# Altium PCB WunderBar_v102b _flip.PcbDoc (part 1 of 7) (continued)
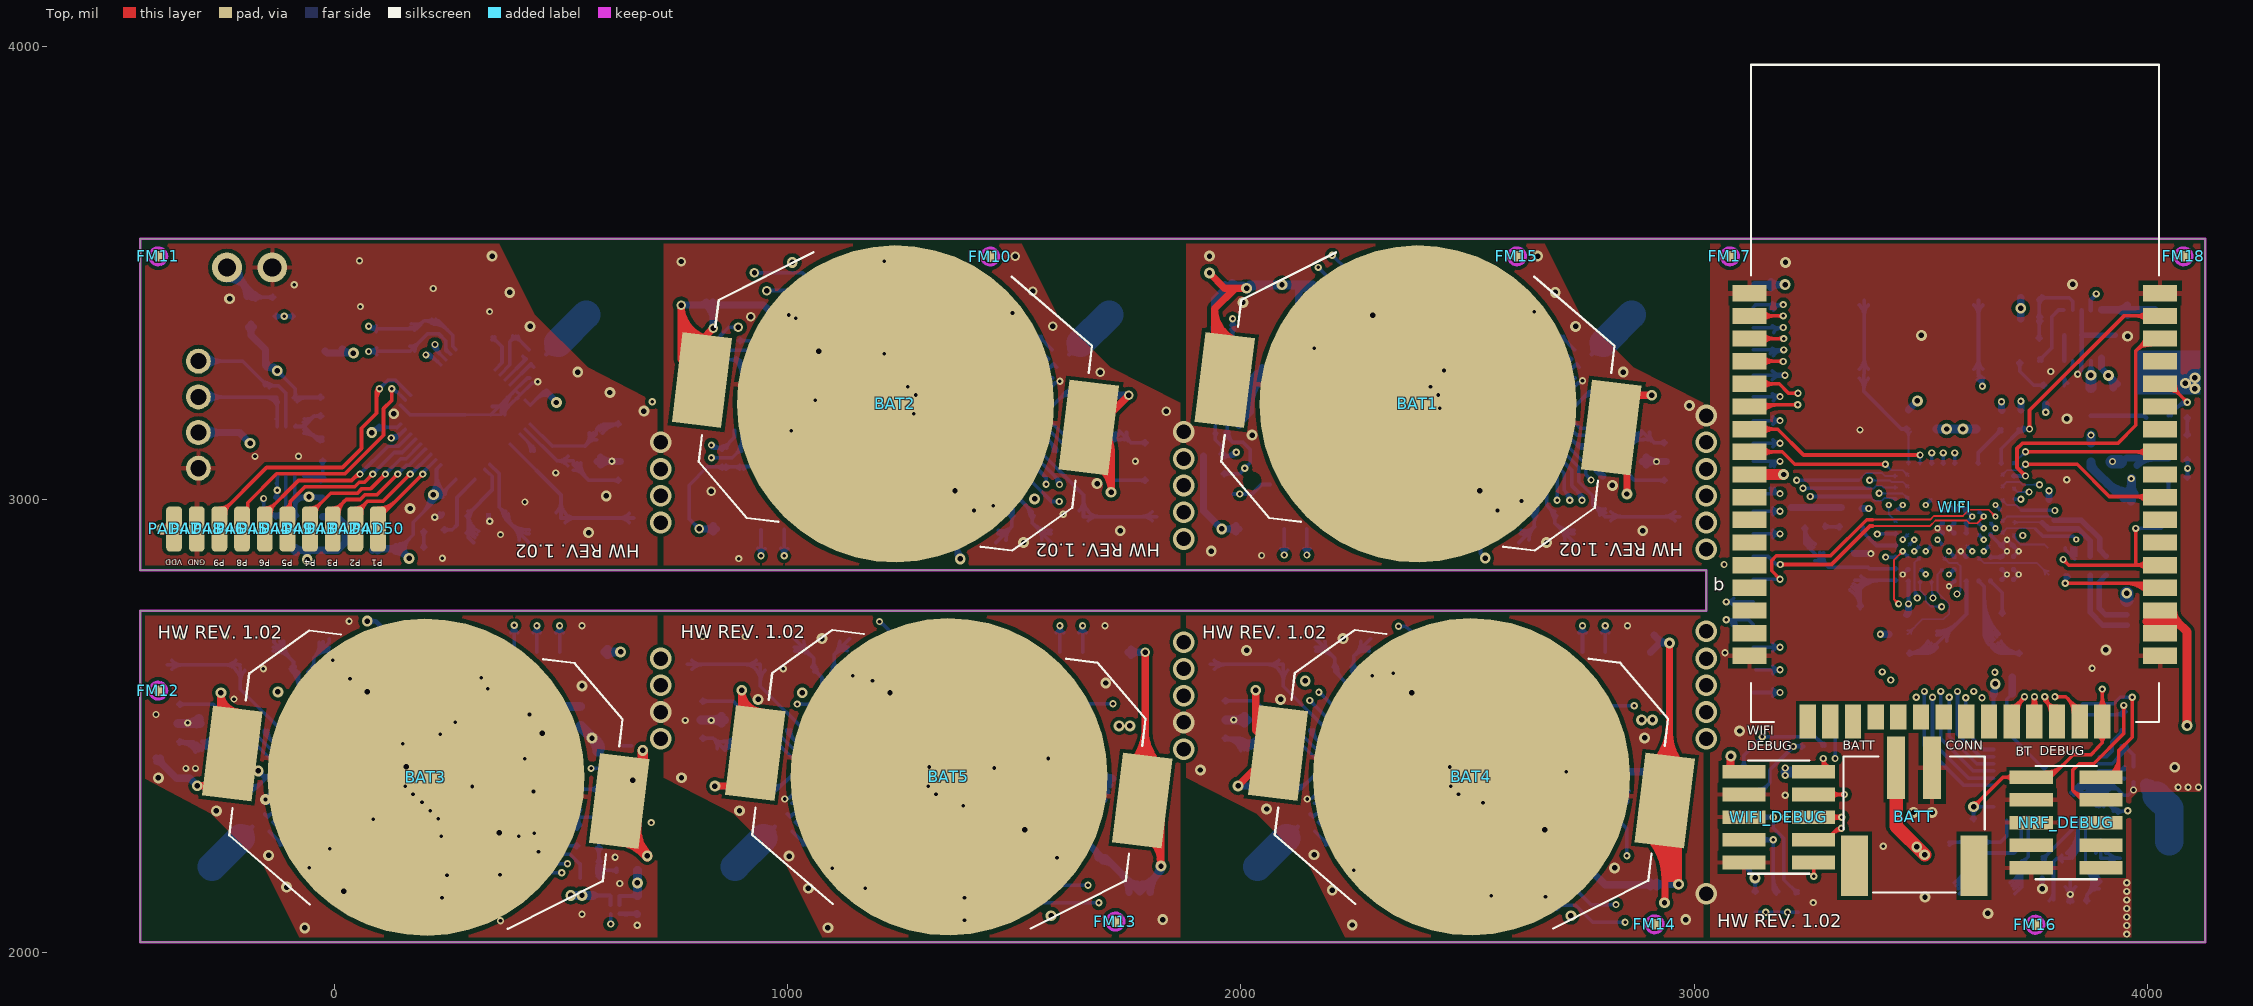
[diagram p0: Top view]
## Components (designator, comment, footprint, x,y, rotation, side; value= is the part's Value field where it differs from the comment) (continued)
NRF_DEBUG "DEBUG" 2X05_SMT 3820.52,2287.48 r270 top
P1 "GROVE_CONN" GROVE-CONN-TH -300.58,3187.48 r0 bottom
P1_14 "P1" PCB_MEDIUM_RECT_PAD 3130.52,2574.48 r180 bottom
P1_19 "P1" PCB_MEDIUM_RECT_PAD 3130.52,2624.48 r180 bottom
P1_GND "GND" PCB_MEDIUM_RECT_PAD 3130.52,3524.48 r0 bottom
P2 "header" 1X02_ROUND -187.48,3512.48 r180 bottom
P2_5 "P1" PCB_MEDIUM_RECT_PAD 3130.52,3324.48 r180 bottom
P2_11 "P1" PCB_MEDIUM_RECT_PAD 3130.52,3424.48 r180 bottom
P2_13 "P1" PCB_MEDIUM_RECT_PAD 3130.52,3374.48 r180 bottom
P6_2 "P1" PCB_MEDIUM_RECT_PAD 3130.52,2674.48 r180 bottom
PAD1 "P1" PCB_MEDIUM_RECT_PAD 2045.52,2935.48 r90 bottom
PAD2 "P1" PCB_MEDIUM_RECT_PAD 1995.52,2935.48 r90 bottom
PAD3 "P1" PCB_MEDIUM_RECT_PAD 2445.52,2935.48 r90 bottom
PAD4 "P1" PCB_MEDIUM_RECT_PAD 2395.52,2935.48 r90 bottom
PAD5 "P1" PCB_MEDIUM_RECT_PAD 2345.52,2935.48 r90 bottom
PAD6 "P1" PCB_MEDIUM_RECT_PAD 2295.52,2935.48 r90 bottom
PAD7 "P1" PCB_MEDIUM_RECT_PAD 2245.52,2935.48 r90 bottom
PAD8 "P1" PCB_MEDIUM_RECT_PAD 2195.52,2935.48 r90 bottom
PAD9 "P1" PCB_MEDIUM_RECT_PAD 2145.52,2935.48 r90 bottom
PAD10 "P1" PCB_MEDIUM_RECT_PAD 2095.52,2935.48 r90 bottom
PAD11 "P1" PCB_MEDIUM_RECT_PAD 1242.52,2935.48 r90 bottom
PAD12 "P1" PCB_MEDIUM_RECT_PAD 1192.52,2935.48 r90 bottom
PAD13 "P1" PCB_MEDIUM_RECT_PAD 1142.52,2935.48 r90 bottom
PAD14 "P1" PCB_MEDIUM_RECT_PAD 1042.52,2935.48 r90 bottom
PAD15 "P1" PCB_MEDIUM_RECT_PAD 992.52,2935.48 r90 bottom
PAD16 "P1" PCB_MEDIUM_RECT_PAD 942.52,2935.48 r90 bottom
PAD17 "P1" PCB_MEDIUM_RECT_PAD 842.52,2935.48 r90 bottom
PAD18 "P1" PCB_MEDIUM_RECT_PAD 892.52,2935.48 r90 bottom
PAD19 "P1" PCB_MEDIUM_RECT_PAD 1092.52,2935.48 r90 bottom
PAD20 "P1" PCB_MEDIUM_RECT_PAD 1292.52,2935.48 r90 bottom
PAD21 "P1" PCB_MEDIUM_RECT_PAD 2503.52,2663.48 r270 bottom
PAD22 "P1" PCB_MEDIUM_RECT_PAD 2553.52,2663.48 r270 bottom
PAD23 "P1" PCB_MEDIUM_RECT_PAD 2603.52,2663.48 r270 bottom
PAD24 "P1" PCB_MEDIUM_RECT_PAD 2703.52,2663.48 r270 bottom
PAD25 "P1" PCB_MEDIUM_RECT_PAD 2753.52,2663.48 r270 bottom
PAD26 "P1" PCB_MEDIUM_RECT_PAD 2803.52,2663.48 r270 bottom
PAD27 "P1" PCB_MEDIUM_RECT_PAD 2903.52,2663.48 r270 bottom
PAD28 "P1" PCB_MEDIUM_RECT_PAD 2853.52,2663.48 r270 bottom
PAD29 "P1" PCB_MEDIUM_RECT_PAD 2653.52,2663.48 r270 bottom
PAD30 "P1" PCB_MEDIUM_RECT_PAD 2453.52,2663.48 r270 bottom
PAD31 "P1" PCB_MEDIUM_RECT_PAD 1350.52,2663.48 r270 bottom
PAD32 "P1" PCB_MEDIUM_RECT_PAD 1400.52,2663.48 r270 bottom
PAD33 "P1" PCB_MEDIUM_RECT_PAD 1450.52,2663.48 r270 bottom
PAD34 "P1" PCB_MEDIUM_RECT_PAD 1550.52,2663.48 r270 bottom
PAD35 "P1" PCB_MEDIUM_RECT_PAD 1600.52,2663.48 r270 bottom
PAD36 "P1" PCB_MEDIUM_RECT_PAD 1650.52,2663.48 r270 bottom
PAD37 "P1" PCB_MEDIUM_RECT_PAD 1750.52,2663.48 r270 bottom
PAD38 "P1" PCB_MEDIUM_RECT_PAD 1700.52,2663.48 r270 bottom
PAD39 "P1" PCB_MEDIUM_RECT_PAD 1500.52,2663.48 r270 bottom
PAD40 "P1" PCB_MEDIUM_RECT_PAD 1300.52,2663.48 r270 bottom
PAD41 "P1" PCB_MEDIUM_RECT_PAD 45.87,2935.48 r270 top
PAD42 "P1" PCB_MEDIUM_RECT_PAD -4.13,2935.48 r270 top
PAD43 "P1" PCB_MEDIUM_RECT_PAD -54.13,2935.48 r270 top
PAD44 "P1" PCB_MEDIUM_RECT_PAD -154.13,2935.48 r270 top
PAD45 "P1" PCB_MEDIUM_RECT_PAD -204.13,2935.48 r270 top
PAD46 "P1" PCB_MEDIUM_RECT_PAD -254.13,2935.48 r270 top
PAD47 "P1" PCB_MEDIUM_RECT_PAD -354.13,2935.48 r270 top
PAD48 "P1" PCB_MEDIUM_RECT_PAD -304.13,2935.48 r270 top
PAD49 "P1" PCB_MEDIUM_RECT_PAD -104.13,2935.48 r270 top
PAD50 "P1" PCB_MEDIUM_RECT_PAD 95.87,2935.48 r270 top
PAD51 "P1" PCB_MEDIUM_RECT_PAD 546.48,2663.48 r90 bottom
PAD52 "P1" PCB_MEDIUM_RECT_PAD 596.5,2663.48 r90 bottom
PAD53 "P1" PCB_MEDIUM_RECT_PAD 145.34,2664.48 r90 bottom
PAD54 "P1" PCB_MEDIUM_RECT_PAD 195.36,2664.48 r90 bottom
PAD55 "P1" PCB_MEDIUM_RECT_PAD 245.38,2664.48 r90 bottom
PAD56 "P1" PCB_MEDIUM_RECT_PAD 295.39,2664.48 r90 bottom
PAD57 "P1" PCB_MEDIUM_RECT_PAD 346.41,2663.48 r90 bottom
PAD58 "P1" PCB_MEDIUM_RECT_PAD 396.43,2663.48 r90 bottom
PAD59 "P1" PCB_MEDIUM_RECT_PAD 446.45,2663.48 r90 bottom
PAD60 "P1" PCB_MEDIUM_RECT_PAD 496.47,2663.48 r90 bottom
PGM "Tact Sw 4.6x2.8" CK-KMR2 3406.52,3358.48 r180 bottom
PWR1 "LTC4081DFN" LTC4080_DFN 3855.52,3362.48 r90 bottom
R1 "95k3" 0402 3740,3351.96 r0 bottom
R2 "300k" 0402 3741.52,3398.48 r180 bottom
R3 "2K94" 0402 3819.52,3231.48 r90 bottom
R4 "220" 0402 3775.52,3231.81 r270 bottom
R5 "220" 0402 2528.52,2943.48 r180 bottom
R6 "22" 0402 1959.52,3315.48 r270 bottom
R7 "220" 0402 3619.52,2244.48 r180 bottom
R8 "10k" 0402 4067.23,2953.13 r180 bottom
R9 "10k" 0402 1938.52,3096.48 r180 bottom
R10 "10k" 0402 1938.52,3057.48 r180 bottom
R11 "10k" 0402 3721.3,3176.48 r90 bottom
R12 "10k" 0402 1961.52,3380.48 r180 bottom
R13 "220" 0402 4067.35,3138.52 r0 bottom
R14 "10k" 0402 3229.52,2110.48 r270 bottom
R15 "10k" 0402 3241.52,2476.48 r90 bottom
R16 "10k" 0402 3472.86,3176.48 r90 bottom
R17 "220" 0402 3345.52,2939.85 r0 bottom
R18 "220" 0402 1371.52,2943.48 r180 bottom
R19 "10k" 0402 898.52,3092.48 r270 bottom
R20 "10k" 0402 859.52,3092.48 r270 bottom
R21 "10k" 0402 969.52,3329.48 r90 bottom
R22 "220" 0402 2375.51,2653.49 r0 bottom
R23 "10k" 0402 2772.52,2281.48 r270 bottom
R24 "10k" 0402 2823.52,2281.48 r270 bottom
R25 "220" 0402 1225.18,2653.49 r0 bottom
R26 "10k" 0402 1589.52,2482.48 r180 bottom
R27 "20 0.2W" 1206_MINIMELF_COMBO 1776.52,2195.48 r270 bottom
R28 "220" 0402 217.52,2933.48 r180 bottom
R29 "220" 0402 70,2654.49 r0 bottom
R30 "100" 0402 3679.07,3176.81 r270 bottom
R31 "10k" 0402 3969.52,2527.48 r180 bottom
R32 "10k" 0402 2524.52,3398.48 r270 bottom
R33 "10k" 0402 218.52,3414.48 r270 bottom
R34 "10k" 0402 2375.52,2201.48 r90 bottom
R35 "10k" 0402 1371.52,3398.48 r270 bottom
R36 "10k" 0402 67.5,2201.5 r90 bottom
R37 "10k" 0402 1221.52,2201.48 r90 bottom
R38 "10k" 0402 3134.52,2110.48 r270 bottom
R39 "10k" 0402 3182.52,2110.48 r270 bottom
R40 "10k" 0402 3450.24,2703.32 r180 bottom
R41 "10k" 0402 3288.52,2476.48 r90 bottom
R42 "10k" 0402 4067.69,3092.11 r180 bottom
R43 "100" 0402 102.76,2560.83 r225 bottom
R44 "10k" 0402 -107.48,3000.48 r0 bottom
R45 "10k" 0402 -107.48,2961.48 r0 bottom
R46 "10k" 0402 -148.48,3272.48 r90 bottom
R47 "10k" 0402 -107.48,3220.48 r0 bottom
R48 "10k" 0402 -26.48,3205.48 r90 bottom
R49 "4k7" 0402 -132.48,3425.48 r90 bottom
R50 "4k7" 0402 -89.48,3425.48 r270 bottom
R51 "3k74" 0402 4067.35,3045.7 r0 bottom
R52 "100" 0402 3803.22,2834.48 r180 bottom
R53 "0" 0402 4067.7,2999.29 r180 bottom
R54 "100" 0402 2499.46,3024.85 r90 bottom
R55 "100" 0402 1332.87,3034.38 r45 bottom
R56 "10k" 0402 3875.52,3104.15 r90 bottom
R57 "100" 0402 2408.1,2559.35 r225 bottom
R58 "100" 0402 1255.34,2559.41 r225 bottom
R59 "1M" 0603 494.03,2298.75 r270 bottom
R60 "10k 0.1%" 0402 560.03,2447.67 r180 bottom
R61 "10k" 0603 503.27,2403.31 r180 bottom
R62 "100k" 0402 538.7,2256.99 r270 bottom
R63 "10k 0.1%" 0402 647.33,2182 r180 bottom
R64 "10k 0.1%" 0402 477.04,2447.67 r180 bottom
R65 "1M" 0402 434.67,2586.08 r0 bottom
R66 "10k 0.1%" 0402 562.83,2165 r0 bottom
R67 "100k" 0402 399.23,2299.75 r90 bottom
R68 "100k" 0402 440.72,2299.75 r90 bottom
R69 "10k" 0402 1962.04,3014 r0 bottom
R70 "22" 0402 3909,2854 r90 bottom
R71 "22" 0402 3870.52,2854 r90 bottom
R72 "0" "0805 v3" 3963.52,3006.7 r90 bottom (schematic designator D1)
RST "Tact Sw 4.6x2.8" CK-KMR2 3595.52,3358.48 r180 bottom
SCL "P1" PCB_MEDIUM_RECT_PAD 3130.52,2774.48 r0 bottom
SD_CLK "P1" PCB_MEDIUM_RECT_PAD 3130.52,3074.48 r0 bottom
SD_CMD "P1" PCB_MEDIUM_RECT_PAD 3130.52,3024.48 r0 bottom
SD_D0 "P1" PCB_MEDIUM_RECT_PAD 3130.52,2824.48 r0 bottom
SD_D1 "P1" PCB_MEDIUM_RECT_PAD 3130.52,2874.48 r0 bottom
SD_D2 "P1" PCB_MEDIUM_RECT_PAD 3130.52,2924.48 r0 bottom
SD_D3 "P1" PCB_MEDIUM_RECT_PAD 3130.52,2974.48 r0 bottom
SDA "P1" PCB_MEDIUM_RECT_PAD 3130.52,2724.48 r0 bottom
SENSE1 "HTU21D" HTU21D 2800.52,2399.48 r180 bottom
SENSE2 "MPU6500QFN" QFN24-0.4 922.52,3211.48 r0 bottom
SENSE3 "TCS37717FN" DFN-6-0.65 1969.52,3195.48 r270 bottom
T1 "AO3418" SOT23 1567.52,2388.48 r0 bottom
T2 "AO3418" SOT23 2103.52,3071.48 r90 bottom
U1 "MK24FN1M0VDC12" BGA121-0.65 3575.22,2950 r180 bottom
U2 "SPQ0410HR5H-B" SPQ0410HR5H-B 595.6,2522.25 r270 bottom
U3 "LTC1966" MSOP-8 372.6,2453.32 r90 bottom
U4 "TLV2760" DBV-6 657.99,2245.77 r180 bottom
U5 "TPS22924C" YZP-6 619,2106 r0 bottom
USB "USB MICRO AB" USB_MICRO_SMD 4067.52,2720.48 r270 bottom
VD33 "P1" PCB_MEDIUM_RECT_PAD 3130.52,3474.48 r0 bottom
VREG2 "MCP1801T-3302" SOT-23-5 28.52,2925.48 r90 bottom
WIFI "GS1500M" GAINSPANM 3575.52,3209.48 r180 top
WIFI_DEBUG "DEBUG" 2X05_SMT 3186.52,2299.48 r270 top
X1 "32.768 KHz" 1206_MINIMELF_COMBO 2674.52,2905.48 r0 bottom
X2 "32.768 KHz" 1206_MINIMELF_COMBO 1520.52,2905.48 r0 bottom
X3 "32.768 KHz" 1206_MINIMELF_COMBO 367.52,2905.48 r0 bottom
X4 "32.768 KHz" 1206_MINIMELF_COMBO 2225.52,2693.48 r180 bottom
X5 "32.768 KHz" 1206_MINIMELF_COMBO 1075.52,2693.48 r180 bottom
X6 "32.768 KHz" 1206_MINIMELF_COMBO -72.73,2693.48 r180 bottom
X7 "32.768 KHz" 1206_MINIMELF_COMBO 3646.52,2130.48 r0 bottom
X8 "32.768 KHz" 1206_MINIMELF_COMBO 3597,2682 r180 bottom
Y1 "12MHz 12pF" ABM8G 3305.98,2851.02 r180 bottom
Y2 "16MHz 10pF" CRYSTAL25X20 3863.52,2183.48 r0 bottom
Y3 "16MHz 10pF" CRYSTAL25X20 2859.52,3118.48 r90 bottom
Y4 "16MHz 10pF" CRYSTAL25X20 1705.52,3118.48 r90 bottom
Y5 "16MHz 10pF" CRYSTAL25X20 2040.52,2480.48 r270 bottom
Y6 "16MHz 10pF" CRYSTAL25X20 886.52,2480.48 r270 bottom
Y7 "16MHz 10pF" CRYSTAL25X20 552.52,3118.48 r90 bottom
Y8 "16MHz 10pF" CRYSTAL25X20 -266.48,2480.48 r270 bottom

## Footprints (in the part's own frame and the unit in brackets; to place one, negate y for a bottom-side part, rotate by r counter-clockwise, add the part's x,y. Pads: shape width x height; smd on the part's side, far side on the other; paste and mask are expansions set on the pad)
1X02_ROUND [mil] "1X02_ROUND"
  round 66 hole 40: 1(-50,0) 2(50,0)
2X05_SMT [mil] "2X05_SMT"
  rect 30x95 smd paste-98.43: 1(-100,-76.77) 2(-100,77) 3(-50,-76.77) 4(-50,77) 5(0,-76.77) 6(0,77) 7(50,-76.77) 8(50,77) 9(100,-76.77) 10(100,77)
  silkscreen extent -125,-68 125,68
6-PIN-0603 [mil] "6-PIN-0603"
  rect 22x10 smd: 1(-16.73,20) 2(-16.73,0) 3(-16.73,-19.68) 4(17,-19.68) 5(17,0) 6(17,20)
  silkscreen extent -4,36 4,44
0402 [mil] "0402"
  rect 20x20 smd: 1(-20.67,0) 2(21,0)
  silkscreen extent -4,-10 4,10
0402_POLAR [mil] "0402_POLAR"
  rect 20x20 smd: A(-20.67,0) K(21,0)
  silkscreen extent -4,-10 4,10
0603 [mil] "0603"
  rect 31x34 smd: 1(-30.5,0) 2(31,0)
  silkscreen extent -7,-16 7,16
0603_POLAR [mil] "0603_POLAR"
  rect 31x34 smd: A(-30.5,0) K(31,0)
  silkscreen extent -7,-15 7,16
"0805 v3" [mil]
  rect 40x50 smd: 1(0,0) 2(78,0)
  silkscreen extent -27,-32 105,32
0805_MICROMELF_COMBO [mil] "0805_MICROMELF_COMBO"
  rect 48x56 smd: 1(-39.37,0) 2(40,0)
  silkscreen extent -9,-24 9,24
1206_MINIMELF_COMBO [mil] "1206_MINIMELF_COMBO"
  rrect20% 52x63 smd: 1(-61.02,0) 2(62,0)
  silkscreen extent -25,-30 25,30
ABM8G [mil] "ABM8G"
  rect 55x47 smd: 1(-43.5,-33.5) 2(44,-33.5) 3(44,34) 4(-43.5,34)
  silkscreen extent -63,-49 63,49
BGA121-0.65 [mil] "BGA100-0.8"
  rrect100% 14x14 smd: A1(-127.97,127.94) A2(-102.37,127.92) A3(-76.8,127.92) A4(-51.21,127.93) A5(-25.61,127.94) A6(0,127.92) A7(25.58,127.94) A8(51.18,127.93) A9(76.76,127.92) A10(102.36,127.92) A11(127.96,127.93) B1(-127.97,102.36) B2(-102.37,102.34) B3(-76.8,102.33) B4(-51.21,102.35) B5(-25.61,102.36) B6(0,102.34) B7(25.58,102.36) B8(51.18,102.35) B9(76.76,102.33) B10(102.36,102.34) B11(127.96,102.35) C1(-127.97,76.78) C2(-102.37,76.76) C3(-76.8,76.76) C4(-51.21,76.77) C5(-25.61,76.78) C6(0,76.76) C7(25.58,76.78) C8(51.18,76.77) C9(76.76,76.76) C10(102.36,76.76) C11(127.96,76.77) D1(-127.97,51.21) D2(-102.37,51.19) D3(-76.8,51.18) D4(-51.21,51.2) D5(-25.61,51.2) D6(0,51.19) D7(25.58,51.2) D8(51.18,51.2) D9(76.76,51.18) D10(102.36,51.19) D11(127.96,51.2) E1(-127.97,25.62) E2(-102.37,25.6) E3(-76.8,25.59) E4(-51.21,25.61) E5(-25.61,25.61) E6(0,25.6) E7(25.58,25.61) E8(51.18,25.61) E9(76.76,25.59) E10(102.36,25.6) E11(127.96,25.61) F1(-127.97,0.03) F2(-102.37,0.02) F3(-76.8,0.01) F4(-51.21,0.02) F5(-25.61,0.03) F6(0,0.02) F7(25.58,0.03) F8(51.18,0.02) F9(76.76,0.01) F10(102.36,0.02) F11(127.96,0.02) G1(-127.97,-25.54) G2(-102.37,-25.56) G3(-76.8,-25.57) G4(-51.21,-25.55) G5(-25.61,-25.54) G6(0,-25.56) G7(25.58,-25.54) G8(51.18,-25.55) G9(76.76,-25.57) G10(102.36,-25.56) G11(127.96,-25.55) H1(-127.97,-51.14) H2(-102.37,-51.16) H3(-76.8,-51.17) H4(-51.21,-51.15) H5(-25.61,-51.14) H6(0,-51.16) H7(25.58,-51.14) H8(51.18,-51.15) H9(76.76,-51.17) H10(102.36,-51.16) H11(127.96,-51.15) J1(-127.97,-76.75) J2(-102.37,-76.76) J3(-76.8,-76.77) J4(-51.21,-76.76) J5(-25.61,-76.75) J6(0,-76.76) J7(25.58,-76.75) J8(51.18,-76.76) J9(76.76,-76.77) J10(102.36,-76.76) J11(127.96,-76.75) K1(-127.97,-102.33) K2(-102.37,-102.35) K3(-76.8,-102.35) K4(-51.21,-102.34) K5(-25.61,-102.33) K6(0,-102.35) K7(25.58,-102.33) K8(51.18,-102.34) K9(76.76,-102.35) K10(102.36,-102.35) K11(127.96,-102.34) L1(-127.97,-127.9) L2(-102.37,-127.92) L3(-76.8,-127.93) L4(-51.21,-127.91) L5(-25.61,-127.91) L6(0,-127.92) L7(25.58,-127.91) L8(51.18,-127.91) L9(76.76,-127.93) L10(102.36,-127.92) L11(127.96,-127.91)
  silkscreen extent -158,-157 157,158
BK-912 [mil] "BK-912"
  rect 110x200 smd: +1(-430,0) +2(430,0)
  rrect100% 700x700 smd paste-708.66: -(0,0)
  silkscreen extent -415,-310 415,290
CK-KMR2 [mil] "CK-KMR2"
  rect 40x36 smd: P1(-31.5,81) P2(-31.5,-80.71) P3(32,81) P4(32,-80.71)
  silkscreen extent -55,-83 56,83
CRYSTAL25X20 [mil] "CRYSTAL25X20"
  rect 48x40 smd: 1(-33.46,-25.59) 2(34,-25.59) 3(34,26) 4(-33.46,26)
  silkscreen extent -4,-39 4,40
DBV-6 [mm]
  rect 0.6x1.05 smd: 1(0,0) 2(0.95,0) 3(1.9,0) 4(1.9,2.7) 5(0.95,2.7) 6(0,2.7)
  silkscreen extent -0.5,0.65 2.4,2.05
DFN-6-0.65 [mil] "DFN-6-0.65"
  rect 44x16 smd: 1(-31.5,26) 2(-31.5,0) 3(-31.5,-25.59) 4(32,-25.59) 5(32,0) 6(32,26)
  silkscreen extent -58,-41 48,54
"FIDUCIAL MARK 0.6MM" [mm]
  round 0.6 smd paste-0.6 mask+0.4: 0(0,0)
  Top keep-out circle w0.178: c0,0 r0.475
GAINSPANM [mil] "GAINSPANM"
  rect 75x36 smd: 1(453,-246) 2(453,-196) 3(453,-146) 4(453,-96) 5(453,-46) 6(453,4) 7(453,54) 8(453,104) 9(453,154) 10(453,204) 11(453,254) 12(453,304) 13(453,354) 14(453,404) 15(453,454) 16(453,504) 17(453,554) 32(-452.5,554) 33(-452.5,504) 34(-452.5,454) 35(-452.5,404) 36(-452.5,354) 37(-452.5,304) 38(-452.5,254) 39(-452.5,204) 40(-452.5,154) 41(-452.5,104) 42(-452.5,54) 43(-452.5,4) 44(-452.5,-46) 45(-452.5,-96) 46(-452.5,-146) 47(-452.5,-196) 48(-452.5,-246)
  rect 36x75 smd: 18(325,699) 19(275,699) 20(225,699) 25(-25,699) 26(-75,699) 27(-125,699) 28(-175,699) 29(-225,699) 30(-275,699) 31(-325,699)
  rect 36x55.12 smd: 21(175,689.06) 22(125,689.06) 23(75,689.06) 24(25,689.06)
  silkscreen extent -450,-750 450,700
GROVE-CONN-TH [mm] "S4B-PH-SM4-KL(LF)(SN)"
  round 1.4 hole 0.9: 1(0,3) 2(0,1) 3(0,-1) 4(0,-3)
  silkscreen extent -6.25,-4.95 1.35,4.95
HTU21D [mil] "HTU21D"
  rect 24x16 smd: 1(54,-39.37) 2(54,0) 3(54,40) 4(-53.15,40) 5(-53.15,0) 6(-53.15,-39.37)
  rect 60x95 smd: PAD(0,0)
INDUCTOR_40X40 [mil] "INDUCTOR_40X40"
  rect 48x146 smd: 1(-55.12,0) 2(56,0)
  silkscreen extent -79,-80 79,80
LED3X2 [mil] "LED3X2"
  rect 56x56 smd: A(-57.09,0) K(58,0)
  silkscreen extent -59,-39 60,40
LTC4080_DFN [mil] "LTC4080_DFN"
  rect 27x10 smd mask+3: 1(-55.61,40) 2(-55.61,20) 3(-55.61,0) 4(-55.61,-19.68) 5(-55.61,-39.37) 6(56,-39.37) 7(56,-19.68) 8(56,0) 9(56,20) 10(56,40)
  rect 65x94 smd mask+3: 11(0,0)
  silkscreen extent -65,-59 60,66
MIDLED [mm] "MIDLED"
  rect 0.522x2.1 smd paste-1.5 mask-1.5: A(-1.75,0) C(1.771,0)
  rect 1.422x1 smd paste-1.5 mask-1.5: A(-1.3,-1.507) A(-1.3,1.507) C(1.321,-1.507) C(1.321,1.507)
  rect 0.9x2.1 smd: A(-1.039,0) C(1.06,0)
  silkscreen extent -0.35,-0.97 0.36,0.99
MSOP-8 [mil]
  rect 40x16.5 smd mask+3: 1(-85,38.4) 2(-85,12.8) 3(-85,-12.8) 4(-85,-38.4) 5(85,-38.4) 6(85,-12.8) 7(85,12.8) 8(85,38.4)
  silkscreen extent -60,-60 60,60
PCB_MEDIUM_RECT_PAD [mil] "PCB_MEDIUM_RECT_PAD"
  rrect50% 100x35 smd paste-102.36: 1(0,0)
QFN24-0.4 [mil] "QFN24-0.4"
  rrect75% 20x8 smd: 1(-57.09,40) 2(-57.09,24) 3(-57.09,8) 4(-57.09,-7.87) 5(-57.09,-23.62) 6(-57.09,-39.37) 13(58,-39.37) 14(58,-23.62) 15(58,-7.87) 16(58,8) 17(58,24) 18(58,40)
  rrect75% 8x20 smd: 7(-39.37,-57.09) 8(-23.62,-57.09) 9(-7.87,-57.09) 10(8,-57.09) 11(24,-57.09) 12(40,-57.09) 19(40,58) 20(24,58) 21(8,58) 22(-7.87,58) 23(-23.62,58) 24(-39.37,58)
QFN48_EP [mil] "QFN48_EP"
  rrect100% 28x8 smd mask+3: 1(-116.14,87) 2(-116.14,71) 3(-116.14,56) 4(-116.14,40) 5(-116.14,24) 6(-116.14,8) 7(-116.14,-7.87) 8(-116.14,-23.62) 9(-116.14,-39.37) 10(-116.14,-55.12) 11(-116.14,-70.87) 12(-116.14,-86.61) 25(117,-86.61) 26(117,-70.87) 27(117,-55.12) 28(117,-39.37) 29(117,-23.62) 30(117,-7.87) 31(117,8) 32(117,24) 33(117,40) 34(117,56) 35(117,71) 36(117,87)
  rrect100% 8x28 smd mask+3: 13(-86.61,-116.14) 14(-70.87,-116.14) 15(-55.12,-116.14) 16(-39.37,-116.14) 17(-23.62,-116.14) 18(-7.87,-116.14) 19(8,-116.14) 20(24,-116.14) 21(40,-116.14) 22(56,-116.14) 23(71,-116.14) 24(87,-116.14) 37(87,117) 38(71,117) 39(56,117) 40(40,117) 41(24,117) 42(8,117) 43(-7.87,117) 44(-23.62,117) 45(-39.37,117) 46(-55.12,117) 47(-70.87,117) 48(-86.61,117)
  rrect5% 182x182 smd: PAD(0,0)
  silkscreen extent -127,110 -109,128
RELAYR-LOGO [mil] "RELAYR-LOGO"
S2B-PH-SM4-TB [mil] "S2B-PH-SM4-TB"
  rect 40x138 smd: 1(40,-155.91) 2(-39.37,-155.91)
  rect 60x134 smd: 3(-131.89,60) 4(132,60)
  silkscreen extent -156,-181 156,119
SOT23 [mil] "SOT23"
  rect 28x40 smd: 1(-37.4,-49.21) 2(38,-49.21) 3(0,49.21)
  silkscreen extent -62,-26 62,26, body extent -57,-55 57,55, height 51
SOT-23-5 [mil] "SOT-23-5"
  rect 20x40 smd mask+3: 1(-37.4,-52) 2(0,-52) 3(38,-52) 4(38,52) 5(-37.4,52)
  silkscreen extent -60,-26 60,26, body extent -57,-55 57,55, height 57
SPQ0410HR5H-B [mm]
  round 0.7 smd: 1(0.575,1.33) 2(0.575,-1.33) 3(-0.575,-1.33) 4(-0.575,1.33)
  silkscreen extent -1.12,-1.88 1.12,1.88
US8 [mil] "US8"
  rect 40x12 smd: 1(-55.12,30) 2(-55.12,10) 3(-55.12,-9.84) 4(-55.12,-29.53) 5(56,-29.53) 6(56,-9.84) 7(56,10) 8(56,30)
  silkscreen extent -28,-39 28,40
USB_MICRO_SMD [mil] "USB_MICRO_SMD"
  rect 16x56 smd: 1_VBUS(-51.18,113) 2_D-(-25.59,113) 3_D+(0,113) 4_ID_NC(26,113) 5_GND(52,113)
  rect 91x75 smd: SHIELD(-147.64,0) SHIELD(148,0)
  rect 71x75 smd: SHIELD(-45.28,0) SHIELD(46,0)
  silkscreen extent -148,50 148,113
WunderBar_LOGO [mil]
YZP-6 [mm]
  round 0.25 smd: 1A(0.25,-0.5) 1B(0.25,0) 1C(0.25,0.5) 2A(-0.25,-0.5) 2B(-0.25,0) 2C(-0.25,0.5)
  silkscreen extent -0.55,-0.8 0.55,0.8

## Part data
A1 A2 A3 A4 P1_14 P1_19 P1_GND P2_5 P2_11 P2_13 P6_2 PAD1 PAD2 PAD3 PAD4 PAD5 PAD6 PAD7 PAD8 PAD9 PAD10 PAD11 PAD12 PAD13 PAD14 PAD15 PAD16 PAD17 PAD18 PAD19 PAD20 PAD21 PAD22 PAD23 PAD24 PAD25 PAD26 PAD27 PAD28 PAD29 PAD30 PAD31 PAD32 PAD33 PAD34 PAD35 PAD36 PAD37 PAD38 PAD39 PAD40 PAD41 PAD42 PAD43 PAD44 PAD45 PAD46 PAD47 PAD48 PAD49 PAD50 PAD51 PAD52 PAD53 PAD54 PAD55 PAD56 PAD57 PAD58 PAD59 PAD60 SCL SD_CLK SD_CMD SD_D0 SD_D1 SD_D2 SD_D3 SDA VD33: library part HEADER-1X1SMD_MEDIUM, "<b>PIN HEADER</b>"
ANT1 ANT2 ANT3 ANT4 ANT5 ANT6 ANT7: library part ANTENNA_MONOPOLE1206, "2.45 GHz Antenna"
BALUN BALUN1 BALUN2 BALUN3 BALUN4 BALUN5 BALUN6: library part BALUN, "2.45 GHz Impedance Matched Balun-Filter"
BAT1 BAT2 BAT3 BAT4 BAT5: "Coin battery holder"
BATT: library part HEADER-1X2JST-PH-H, "LI-Poly battery connector"
BT BT1 BT2 BT3 BT4 BT5 BT6: "Nordic Bluetooth 4.0 low energy modul"
BTN1 BTN2 BTN3 BTN4 BTN5 BTN6 PGM RST: library part PUSHBUTTONKMR2XX, "Push button"
C1 C2 C5 C6 C7 C11 C12 C13 C14 C15 C16 C19 C20 C21 C22 C23 C24 C26 C27 C29 C30 C31 C32 C33 C34 C35 C36 C38 C39 C40 C41 C42 C43 C44 C45 C46 C47 C48 C50 C51 C52 C53 C54 C55 C56 C57 C58 C62 C63 C64 C65 C66 C67 C68 C69 C88 C89 C90 C91 C93 C94 C95 C96 C97 C98 C99 C100 C102 C103: library part CAP_CERAMIC0402, "Ceramic Capacitor"
C3 C4 C17 C18 C104 C105 C106 C107 C108 C109 C110 C114: library part CAP_CERAMIC0402, "Ceramic capacitor"
C8 C9 C10 C25 C28 C37 C49 C59 C60 C61 C79 C81 C86 C87: library part CAP_CERAMIC0603, "Ceramic Capacitor"
C70 C71 C72 C73 C74 C75 C76 C77 C78 C80 C82 C83 C84 C85 C92 C101 C111 C112 C113: library part CAP_CERAMIC0402, "Ceramic Capacitors"
D2: library part DIODE0603, "Shottky diode 40V 0.2A"
DEBUG1 DEBUG2 DEBUG3 DEBUG4 DEBUG5 DEBUG6 LPC_DEBUG NRF_DEBUG WIFI_DEBUG: library part HEADER-2X5SMD-1.27MM, "cortex DEBUG connector"
FM1 FM2 FM3 FM4 FM5 FM6 FM7 FM8 FM9 FM10 FM11 FM12 FM13 FM14 FM15 FM16 FM17 FM18: "Fiducial Mark"
IC2: library part PCA9306US8, "I2C bidirectional level translator"
IC3: library part ZXLD383SOT23-5, "Diodes Inc. boost LED driver"
L1: library part INDUCTOR40X40MM, "Generic inductor"
L2: library part INDUCTOR0805, "Inductor"
LED1 LED2 LED3 LED4 LED5 LED7 LED8 LED9 LED11 LED12: library part LED0402, "LED common"
LED6: library part LEDMIDLED, "LED IR emitter 950NM"
LED10: library part LEDMIDLED, "LED common"
LED13: library part LED3X2, "LED common"
P1: library part GROVE_CONNV, "Seeed Grove 4-pin 2mm connector"
P2: library part HEADER-1X2ROUND, "PIN HEADER"
PWR1: library part LTC4080DFN, "Linear Technology Li-Ion battery charger and buck regulator"
R1 R2 R3 R4 R5 R6 R7 R8 R9 R10 R11 R12 R13 R14 R15 R16 R17 R18 R19 R20 R21 R22 R23 R24 R25 R26 R28 R30 R31 R32 R33 R34 R35 R37 R38 R39 R40 R41 R42 R44 R45 R46 R47 R48 R49 R50 R51 R52 R53 R54 R55 R56 R57 R58 R69 R70 R71 R72: library part R-EU_0402, "RESISTOR"
R27: library part R-EU_1206_MINIMELF_COMBO, "RESISTOR"
R29 R36 R43 R59 R60 R61 R62 R63 R64 R65 R66 R67 R68: library part R-EU_0402, "<B>RESISTOR</B>, European symbol"
SENSE1: "Humidity and temperature sensor"
SENSE2: "Invensense MPU6500 combined gyro + accelerometer, I2C"
SENSE3: library part TCS3771, "TAOS/ams color/light/proximity sensor"
T1 T2: library part NMOS_ENH, "N-Channel MOSFET, enhancement mode"
U1: "MK24FN1M0VDC12 121-PIN BGA Microcontroller"
U2: library part SPU0410HR5H-PB, "SPQ0410HR5H-B mic"
U3: "RMS-to-DC converter"
U4: "TI OP-AMP"
U5: library part TPS22963, "LOAD SWITCH"
USB: library part USB_MICROSMD, "Micro USB right angle (AB) connector"
VREG2: library part MCP180XSOT-23-5, "Microchip LDO"
WIFI: library part GAINSPAN1500MXXGAINSPANMEXP, "GAINSPAN WiFi module"
X1 X2 X3 X4 X5 X6 X7 X8: library part CRYSTAL1206, "CL05C120JB5"
Y1: library part CRYSTAL_WITH_GROUNDABM8G, "CX2520DB16000D0GEJCC"
Y2 Y3 Y4 Y5 Y6 Y7 Y8: library part CRYSTAL_WITH_GROUND25X20, "16MHz crystal 2.5x2mm"

## Free pads (board coordinates)
  round 23.62 on Mech7 paste-23.62 mask+15.75: 0(-389.04,2578.55) 0(-389.04,3537) 0(1446,3537) 0(1723,2069) 0(2609,3537) 0(2913,2063) 0(3079,3537) 0(3753,2062) 0(4080,3537)

## Via types
v1: diameter 16, hole 8, Top to Bottom, tented both sides, 282 vias
v2: diameter 24, hole 12, Top to Bottom, tented both sides, 135 vias
v3: diameter 14, hole 6, Top to Bottom, tented both sides, 34 vias
v4: diameter 48/41/41/48 (per signal layer), hole 32, Top to Bottom, 30 vias
v5: diameter 16, hole 8, Top to Route2, tented top, 18 vias
v6: diameter 21/21/21/21 (per signal layer), hole 12, Top to Bottom, tented both sides, 15 vias
v7: diameter 24, hole 12, Top to Route2, tented top, 12 vias
v8: diameter 21/21/21/21 (per signal layer), hole 12, Top to Bottom, 1 vias
v9: diameter 24, hole 8, Top to Bottom, tented both sides, 1 vias

## Nets (pads, with @x,y where several pads share a name; then routed paths per layer and width w, separated by ;. In a path a pad name is that pad's centre, name@x,y a point inside that pad or via, vN(x,y) a via of type N, cw(c..) or ccw(c..) an arc to the next point about the centre after c; other vN are vias at no path point)
!LPC_ISP: PGM.P3 PGM.P4 R16.1 U1.A10 | length 643.2
  Bottom w4: R16.1@3467.2,3150.15 cw(c3453.54,3136.5) 3472.86,3136.5 cw(c3492.17,3136.5) R16.1@3478.51,3150.15 ; U1.A10@3469.32,3081.46 ccw(c3460.78,3090) 3472.86,3090 ccw(c3484.93,3090) U1.A10@3476.39,3081.46 ; U1.A10@3472.86,3077.92 R16.1@3472.86,3155.81
  Bottom w8: PGM.P4@3364.62,3267.87 cw(c3340.72,3243.97) 3374.52,3243.97 cw(c3408.32,3243.97) PGM.P4@3384.42,3267.87 ; PGM.P4@3364.62,3287.67 ccw(c3338.31,3313.98) 3375.52,3313.98 ; PGM.P3@3364.62,3429.58 cw(c3338.31,3403.27) 3375.52,3403.27 ; 3375.52,3309.16 ccw(c3405.9,3309.16) PGM.P4@3384.42,3287.67 ; 3375.52,3408.1 cw(c3405.9,3408.1) PGM.P3@3384.42,3429.58 ; PGM.P3@3375.52,3439.48 3375.52,3277.48 3374.52,3276.48 3374.52,3238.48 3457.19,3155.81 R16.1@3472.86,3155.81 ; R16.1@3468.61,3151.57 ccw(c3458.37,3141.33) 3458.37,3155.81 ccw(c3458.37,3170.3) R16.1@3468.61,3160.05
ANT_DC: BALUN.5 BT.30 C16.1 | length 232.8
  Bottom w8: BT.30@3892.52,2417.48 3922.52,2417.48 3948.52,2444.48 ; 3930.43,2425.69 ccw(c3898.4,2456.53) C16.1@3942.85,2457.37 ; 3943.82,2439.6 ccw(c3925.71,2457.04) C16.1@3950.85,2457.52 ; C16.1@3944.77,2453.08 cw(c3936.77,2444.48) 3948.52,2444.48 ; C16.1@3948.85,2451.48 cw(c3948.85,2437.79) 3958.53,2447.47 ; C16.1@3952.55,2452.76 ccw(c3959.04,2444.48) 3948.52,2444.48 ; C16.1@3954.85,2457.48 ccw(c3970.13,2457.48) 3959.33,2446.67 ; BALUN.5@3969.52,2410.48 3969.52,2436.48 3948.52,2457.48 3948.52,2444.48
ANT_DC1: BALUN1.5 BT1.30 C24.1 | length 187
  Bottom w8: BT1.30@2672.52,3275.48 2693.52,3297.48 2693.52,3348.48 2706.52,3360.48 BALUN1.5@2736.5,3330.5 ; 2694.9,3349.75 ccw(c2683.81,3361.76) C24.1@2700.14,3361.1 ; 2696.82,3351.53 cw(c2705.39,3342.25) C24.1@2705.9,3354.87 ; C24.1@2706.14,3354.86 cw(c2706.14,3340.38) 2716.38,3350.62 cw(c2726.62,3360.86) C24.1@2712.14,3360.86
ANT_DC2: BALUN2.5 BT2.30 C36.1 | length 187.7
  Bottom w8: BT2.30@1518.52,3275.48 1540.52,3297.48 1540.52,3348.48 1553.52,3360.48 BALUN2.5@1583.5,3330.5 ; 1541.9,3349.75 ccw(c1530.81,3361.76) C36.1@1547.14,3361.1 ; 1543.82,3351.53 cw(c1552.39,3342.25) C36.1@1552.9,3354.87 ; C36.1@1553.14,3354.86 cw(c1553.14,3340.38) 1563.38,3350.62 cw(c1573.62,3360.86) C36.1@1559.14,3360.86
ANT_DC3: BALUN4.5 BT4.30 C48.1 | length 187.7
  Bottom w8: BALUN4.5@2162.54,2268.46 2193.52,2238.48 2205.52,2250.48 2205.52,2301.48 BT4.30@2227.52,2323.48 ; 2181.76,2249.86 cw(c2170.02,2237.72) C48.1@2186.91,2238 ; 2184.21,2247.49 ccw(c2192.61,2256.17) C48.1@2192.81,2244.09 ; C48.1@2192.9,2244.1 ccw(c2192.9,2259.14) 2203.54,2248.5 ; C48.1@2198.9,2238.1 cw(c2212.83,2238.1) 2202.98,2247.94
ANT_DC4: BALUN5.5 BT5.30 C58.1 | length 187
  Bottom w8: BALUN5.5@1009.54,2268.46 1039.52,2238.48 1052.52,2250.48 1052.52,2301.48 BT5.30@1073.52,2323.48 ; C58.1@1033.9,2238.1 ccw(c1019.42,2238.1) 1029.66,2248.34 ccw(c1039.9,2258.58) C58.1@1039.9,2244.1 ; C58.1@1040.14,2244.09 ccw(c1040.65,2256.71) 1049.22,2247.43 ; C58.1@1045.9,2237.86 cw(c1062.23,2237.2) 1051.14,2249.21
ANT_DC5: BALUN3.5 BT3.30 C69.1 | length 187
  Bottom w8: BT3.30@365.52,3275.48 386.52,3297.48 386.52,3348.48 399.52,3360.48 BALUN3.5@429.5,3330.5 ; 387.9,3349.75 ccw(c376.81,3361.76) C69.1@393.14,3361.1 ; 389.82,3351.53 cw(c398.39,3342.25) C69.1@398.9,3354.87 ; C69.1@399.14,3354.86 cw(c399.14,3340.38) 409.38,3350.62 cw(c419.62,3360.86) C69.1@405.14,3360.86
ANT_DC6: BALUN6.5 BT6.30 C78.1 | length 187.7
  Bottom w8: BALUN6.5@-144.46,2268.46 -114.48,2238.48 -101.48,2250.48 -101.48,2301.48 BT6.30@-79.48,2323.48 ; C78.1@-120.1,2238.1 ccw(c-134.58,2238.1) -124.34,2248.34 ccw(c-114.1,2258.58) C78.1@-114.1,2244.1 ; C78.1@-113.86,2244.09 ccw(c-113.35,2256.71) -104.78,2247.43 ; C78.1@-108.1,2237.86 cw(c-91.77,2237.2) -102.86,2249.21
BAL1: BALUN.3 BT.32 | length 63
  Bottom w8: BT.32@3893.52,2385.48 BALUN.3@3950,2385.48 ; 3943.24,2385.48 cw(c3943.24,2377.15) BALUN.3@3949.13,2383.04
BAL2: BALUN.4 BT.31 | length 70.7
  Bottom w8: BT.31@3892.52,2401.48 3940.52,2401.48 ; BALUN.4@3949.52,2410.48 3940.52,2401.48 ; BALUN.4@3949.68,2404.49 ccw(c3948.08,2393.92) 3940.52,2401.48
BAL3: BALUN1.4 BT1.31 | length 84.1
  Bottom w8: BT1.31@2683.52,3264.48 2729.52,3310.48 BALUN1.4@2723.52,3316.48 ; 2721.89,3302.85 ccw(c2712.41,3312.34) BALUN1.4@2725.82,3312.34
BAL4: BALUN1.3 BT1.32 | length 84.1
  Bottom w8: BT1.32@2694.52,3253.48 2740.52,3299.48 BALUN1.3@2746.52,3292.48 ; 2733.35,3292.31 cw(c2742.19,3283.47) BALUN1.3@2742.19,3295.97
BAL5: BALUN2.4 BT2.31 | length 82.2
  Bottom w8: BT2.31@1529.52,3264.48 1575.52,3310.48 BALUN2.4@1569.52,3316.48 ; 1569.6,3304.56 ccw(c1561.82,3312.34) BALUN2.4@1572.82,3312.34
BAL6: BALUN2.3 BT2.32 | length 86.7
  Bottom w8: BT2.32@1540.52,3253.48 1586.52,3299.48 BALUN2.3@1593.52,3292.48 ; 1578.64,3291.6 cw(c1589.19,3281.06) BALUN2.3@1589.19,3295.97
BAL7: BALUN4.4 BT4.31 | length 82.2
  Bottom w8: BALUN4.4@2173.22,2286.62 cw(c2184.22,2286.62) 2176.44,2294.4 ; BALUN4.4@2176.52,2282.48 2170.52,2288.48 BT4.31@2216.52,2334.48
BAL8: BALUN4.3 BT4.32 | length 86.7
  Bottom w8: BALUN4.3@2152.52,2306.48 2159.52,2299.48 BT4.32@2205.52,2345.48 ; BALUN4.3@2156.85,2302.99 ccw(c2156.85,2317.9) 2167.4,2307.36
BAL9: BALUN5.4 BT5.31 | length 84.8
  Bottom w8: BALUN5.4@1020.22,2286.62 cw(c1033.63,2286.62) 1024.15,2296.11 ; BALUN5.4@1023.52,2282.48 1016.52,2288.48 BT5.31@1062.52,2334.48
BAL10: BALUN5.3 BT5.32 | length 84.1
  Bottom w8: BALUN5.3@999.52,2306.48 1005.52,2299.48 BT5.32@1051.52,2345.48 ; BALUN5.3@1003.85,2302.99 ccw(c1003.85,2315.49) 1012.69,2306.65
BAL11: BALUN3.4 BT3.31 | length 84.8
  Bottom w8: BT3.31@376.52,3264.48 422.52,3310.48 BALUN3.4@415.52,3316.48 ; 414.89,3302.85 ccw(c405.41,3312.34) BALUN3.4@418.82,3312.34
BAL12: BALUN3.3 BT3.32 | length 84.1
  Bottom w8: BT3.32@387.52,3253.48 433.52,3299.48 BALUN3.3@439.52,3292.48 ; 426.35,3292.31 cw(c435.19,3283.47) BALUN3.3@435.19,3295.97
BAL13: BALUN6.4 BT6.31 | length 82.2
  Bottom w8: BALUN6.4@-133.78,2286.62 cw(c-122.78,2286.62) -130.56,2294.4 ; BALUN6.4@-130.48,2282.48 -136.48,2288.48 BT6.31@-90.48,2334.48
BAL14: BALUN6.3 BT6.32 | length 86.7
  Bottom w8: BALUN6.3@-154.48,2306.48 -147.48,2299.48 BT6.32@-101.48,2345.48 ; BALUN6.3@-150.15,2302.99 ccw(c-150.15,2317.9) -139.6,2307.36
BT1_SWDIO: BT1.23 DEBUG1.2 P2_11.1 U1.A6 | length 3172.7
  Route2 w8: v4(3026.52,3008.48) 3072.44,3054.4 3072.44,3308.96 v1@3194.58,3431.1 ; v4@3026.52,3016.98 ccw(c3026.52,3037.5) 3041.03,3022.99 ccw(c3055.54,3008.48) v4@3035.02,3008.48 ; v4@3026.52,3024.98 ccw(c3026.52,3064.81) 3054.69,3036.65 ccw(c3082.85,3008.48) v4@3043.02,3008.48 ; 3185.32,3421.84 cw(c3196.52,3410.64) v1@3196.52,3426.48
  Route15 w8: v1(2170.52,3512.48) 2430.52,3512.48 2934.52,3008.48 v4(3026.52,3008.48) ; v1@2173.35,3509.65 cw(c2180.18,3502.82) 2180.18,3512.48 cw(c2180.18,3522.14) v1@2173.35,3515.31 ; v4@3014.85,2996.81 ccw(c2986.69,2968.65) 2986.69,3008.48 ccw(c2986.69,3048.31) v4@3014.85,3020.15 ; v4@3020.51,3002.47 ccw(c3006,2987.96) 3006,3008.48 ccw(c3006,3029) v4@3020.51,3014.49 ; v1(3196.52,3430.48) 3247.92,3430.48 v1(3575.22,3103.18) ; v1@3199.35,3427.65 cw(c3206.18,3420.82) 3206.18,3430.48 cw(c3206.18,3440.14) v1@3199.35,3433.31 ; v1@3571.22,3103.18 ccw(c3561.56,3103.18) 3568.39,3110.01 ccw(c3575.22,3116.84) v1@3575.22,3107.18
  Bottom w8: v1@2170.52,3508.48 cw(c2170.52,3498.82) 2177.35,3505.65 cw(c2184.18,3512.48) v1@2174.52,3512.48 ; v1(2170.52,3512.48) 2226.52,3456.48 2348.52,3456.48 2355.52,3449.48 2355.52,3382.48 2406.52,3331.48 2443.52,3331.48 2449.52,3336.48 2546.52,3336.48 BT1.23@2563.52,3320.48 ; 2383.85,3354.15 ccw(c2412.02,3382.31) DEBUG1.2@2412.02,3342.48 ; DEBUG1.2@2397.13,3340.87 cw(c2387.74,3331.48) DEBUG1.2@2401.02,3331.48 ; DEBUG1.2@2397.51,3340.49 ccw(c2412.02,3355) DEBUG1.2@2412.02,3334.48 ; DEBUG1.2@2479.14,3329.36 cw(c2496.33,3312.17) 2496.33,3336.48 ; DEBUG1.2@2484.8,3323.7 cw(c2515.65,3292.85) 2515.65,3336.48 ; DEBUG1.2@2484.8,3339.26 ccw(c2491.51,3345.97) DEBUG1.2@2491.51,3336.48 ; P2_11.1@3130.52,3424.48 3136.52,3430.48 v1(3196.52,3430.48) ccw(c3196.52,3405.46) P2_11.1@3174.76,3417.81 ; P2_11.1@3167.8,3421.76 cw(c3182.78,3413.26) 3182.78,3430.48 ; P2_11.1@3172.57,3434.03 ccw(c3181.13,3442.59) 3181.13,3430.48 ; v1@3193.06,3432.48 cw(c3184.69,3437.31) 3187.19,3427.98 cw(c3189.69,3418.65) v1@3194.52,3427.02 ; v1@3193.69,3427.65 ccw(c3186.86,3420.82) 3186.86,3430.48 ccw(c3186.86,3440.14) v1@3193.69,3433.31 ; v1@3572.39,3100.35 cw(c3565.56,3093.52) 3575.22,3093.52 cw(c3584.88,3093.52) v1@3578.05,3100.35 ; U1.A6@3573.1,3080.04 ccw(c3567.98,3085.17) 3575.22,3085.17 ccw(c3582.46,3085.17) U1.A6@3577.34,3080.04 ; U1.A6@3575.22,3077.92 v1(3575.22,3103.18)